# KiCad board TRS80IJP_1.kicad_pcb (continued)
## Routing (per net, layer and track width the routed paths; a pad name or vN(x,y) marks a point on that pad's centre or on a via; arc(x,y) is an arc through that point) (continued)
  Bottom w1.5: CN3.2 399.37,4.17 CN1.2
/CPU/A5: length 619.2
  Top w0.25: Z29.2 102.19,88.41 104.28,90.5 105.28,90.5 106.14,89.64 110.7,89.64 111.35,90.29 113.15,90.29 113.9,89.54 116.85,89.54 117.9,90.59 123.82,90.59 125.06,89.35 159,89.35 171.12,77.23 173.73,77.2 173.9,77.03 176.7,74.24 181.13,74.24 182.24,73.13 184.29,73.13 184.43,73 Z41.12 185.93,73.08 186.66,73.08 186.67,73.07 v1(189.85,73.07) Z42.3 195.37,73.07 196.82,71.62 205.51,71.62 205.71,71.82 210.33,71.82 211.58,73.07 Z43.3 v1(219.67,73.07) ; v1(396.93,27.1) 362.63,27.1 362.23,26.7 354.28,26.7 353.75,27.23 Z68.16
  Bottom w0.25: 397.43,4.68 397.43,26.6 v1(396.93,27.1) 395.45,28.58 395.45,40.87 394.05,42.27 394.05,54.08 383.67,64.46 383.79,77.68 385.15,80.84 385.15,82.33 385.25,140.82 383.28,142.14 382.07,142.83 378.95,144.58 377.81,145.27 377.24,145.84 377.24,165.05 373.37,168.92 373.37,170.54 372.66,171.25 372.66,172.77 373.41,173.52 373.41,178.54 E1.35 ; Z13.5 178.59,105.95 178.59,86.13 182.13,82.67 184.44,82.67 186.29,81.01 188.49,80.83 189.85,79.47 v1(189.85,73.07) ; v1(219.67,73.07) 219.85,73.07 221.7,71.22 221.34,48.16 226.9,43.67 226.92,34.59 226.9,34.57 226.9,34.44 227.35,33.99 227.35,8.85 231.47,4.95 296.13,5.19 296.73,4.68 297.54,4.1 298.75,2.89 308.48,2.89 315.65,10.06 346.76,10 347.57,10.05 350.33,12.83 350.33,25.26 352.65,26.71 Z68.16
  Bottom w1.5: CN1.3 396.87,4.17 CN3.3
/CPU/A6: length 633
  Top w0.25: v1(396.85,32.87) 388.19,32.87 386.65,31.33 v1(386.65,30.85) 386.64,30.86 363.74,30.86 363.28,30.4 358.38,30.4 357.87,30.91 352.15,30.91 350.75,32.31 Z68.3 ; Z8.11 108.53,106.13 109.94,106.13 109.95,106.14 ; v1(113.53,106.14) 109.95,106.14 ; 109.95,106.14 109.93,106.12 ; v1(374.12,171.91) 375.65,173.44 E1.38 ; v1(114.39,91.52) 114.41,91.54 124.06,91.54 125.58,90.14 144.69,90.2 144.79,90.19 157.97,90.27 157.98,90.28 159.09,90.28 171.54,77.83 174.72,77.83 177.02,75.54 Z41.2 181.74,75.54 182.94,74.33 188.64,74.33 190,75.61 Z42.2 195.38,75.61 196.65,74.34 202.69,74.34 203.07,74.72 205,74.72 205.3,74.42 210.44,74.42 211.74,75.65 211.79,75.61 Z43.2 v1(224.04,75.61)
  Bottom w0.25: 387.27,4.68 387.27,30.28 386.7,30.85 v1(386.65,30.85) ; v1(396.85,32.87) 396.85,41.21 395.26,42.8 395.29,52.52 395.3,53.57 395.3,54.26 384.62,64.94 384.84,77.29 386.13,80.55 386.31,140.2 386.28,140.79 386.22,141.38 381.55,144.2 380.31,144.96 378.46,146.05 378.17,146.34 378.17,165.44 374.12,169.49 v1(374.12,171.91) ; Z68.3 346.04,32.26 347.06,32.26 348.79,30.53 348.79,21.26 348.7,13.55 348.63,13.39 346.99,11.75 318.35,11.69 312.66,15.36 301.46,15.25 294.3,6.76 232.11,6.36 228.95,9.44 228.74,34.5 228.39,35 228.46,44.4 222.9,48.88 223.43,74.73 223.43,75 v1(224.04,75.61) ; Z13.11 186.46,103.16 186.09,86.17 187.18,85.04 191.6,85.04 195.3,81.34 195.3,77.26 Z42.2 ; v1(114.39,91.52) 114.39,93.46 113.41,94.44 113.41,106.02 v1(113.53,106.14)
  Bottom w1.5: CN3.7 386.86,4.17 386.88,4.19
/CPU/A7: length 627.4
  Top w0.25: Z8.14 114.83,113.83 v1(114.86,113.8) ; v1(114.84,95.15) 114.97,95.02 114.97,94.18 116.62,92.53 124.38,92.53 125.95,90.96 159.74,90.96 172.01,78.69 175.75,78.69 176.38,78.06 176.4,78.08 Z41.1 181.58,78.08 182.73,76.92 188.71,76.92 190,78.21 192.82,78.21 192.85,78.24 193.56,78.24 Z42.1 199.14,78.15 v1(200.29,77) 210.5,77 211.68,78.15 Z43.1 219.55,78.15 v1(219.65,78.25) ; v1(391.8,34.68) 391.56,34.44 386.21,34.44 v1(383.98,32.21) 363.94,32.21 362.22,33.93 359.3,33.93 357.68,32.31 Z68.18 ; v1(372.21,168.85) 372.21,172.51 373.11,173.41 E1.36
  Bottom w0.25: Z14.3 194.32,109.31 194.32,86.58 200.29,80.61 v1(200.29,77) ; v1(372.21,168.85) 376.25,164.81 376.25,145.26 379.28,143.39 383.9,140.72 384.13,140.46 384.08,81.06 382.79,77.71 382.69,64.26 391.56,55.05 391.56,34.92 v1(391.8,34.68) ; Z68.18 349.69,29.14 349.43,13.03 347.28,10.88 315.27,10.78 308.02,3.53 298.86,3.53 296.34,6.05 231.79,5.69 228.09,9.21 228.09,34.27 227.61,34.75 227.63,44.01 222.15,48.6 222.5,74.93 222.49,75.28 219.65,78.12 v1(219.65,78.25) ; v1(114.84,95.15) 115.75,96.06 115.75,112.91 v1(114.86,113.8) ; v1(383.98,32.21) 384.73,31.46 384.73,4.68
  Bottom w1.5: CN3.8 384.36,4.16 384.38,4.19
/CPU/A8: length 703.2
  Top w0.25: v1(360.63,147.34) 357.48,147.34 355.15,149.67 350.77,149.67 349.37,148.27 342.66,148.27 v1(342.04,147.65) ; v1(197.26,75.85) 197.5,75.61 Z42.23 210.46,75.61 211.74,76.89 220.75,76.89 220.99,77.13 227.55,77.13 Z43.23 ; Z14.6 190.78,105.23 190.19,105.23 189.08,106.35 167.96,106.35 166.35,107.95 166.35,109.1 164.25,111.2 161.91,111.2 160.69,109.98 v1(159.3,109.98) ; Z8.2 v1(104.04,116.37) ; v1(378.94,11.73) 378.9,11.69 375.85,11.69 375.65,11.31 372.81,7.32 329.57,7.27 327.74,9.1 315.05,9.1 308.61,2.66 298.6,2.66 296.44,4.82 218.83,4.82 217.57,6.08 217.57,8.03 216.86,8.74 214.06,8.74 v1(213.24,7.92) 212.57,7.11 204.13,2.57 157.95,2.62 157.13,3.44 CN2.1 ; v1(379.37,53.2) 378.94,52.78 Z49.14
  Bottom w0.25: E1.11 343.13,178.34 343.13,170.42 342.39,169.68 342.39,156.89 341.13,155.63 341.13,148.56 v1(342.04,147.65) ; v1(104.04,116.37) 104.04,119.49 106.7,122.15 155.8,122.15 157.52,120.43 157.52,111.76 v1(159.3,109.98) ; v1(197.26,75.85) 197.36,75.95 197.36,80.47 192.6,85.23 192.6,103.41 Z14.6 ; v1(213.24,7.92) 213.24,9.03 212.54,9.73 212.54,30.63 211.2,31.97 211.2,40.65 211.39,40.84 211.39,74.4 210.18,75.61 Z42.23 ; v1(378.94,11.73) 379.16,11.95 379.16,37.96 380.18,38.98 380.18,52.39 v1(379.37,53.2) 378.78,53.79 378.84,59.24 376.89,61.85 376.92,79.86 378.45,83.21 378.51,101.84 375.61,104.01 375.59,118.46 375.62,119.46 359.31,137.75 359.31,146.02 v1(360.63,147.34)
/CPU/A9: length 727.4
  Top w0.25: v1(380.56,58.21) 355.06,58.21 354.71,57.86 Z49.16 ; v1(361.55,144.77) 360.81,144.03 347.04,144.03 v1(346.75,144.32) ; Z43.22 222.01,73.07 220.63,74.45 211.73,74.45 210.35,73.07 Z42.22 203.91,73.07 v1(203.87,73.11) ; v1(198.85,89.45) 198.31,89.99 168.64,89.99 v1(166.94,88.29) ; v1(380.29,13.72) 375.32,13.68 374.91,12.95 371.58,8.01 330.29,8.01 328.35,9.95 314.8,9.95 308.18,3.33 299.23,3.33 296.9,5.66 219.28,5.66 218.27,6.67 218.27,6.74 218.37,6.84 218.37,8.77 217.49,9.65 211.76,9.65 v1(211.06,8.95) 211.01,8.9 211.01,8.22 203.99,3.34 203.11,3.32 161.33,3.32 158.17,6.48 155.55,6.48 154.59,5.52 CN2.2
  Bottom w0.25: v1(166.94,88.29) 166.94,90.64 164.67,92.91 164.67,118.55 160.25,122.97 106.34,122.97 102.58,119.21 102.58,110.11 101.22,108.75 Z8.5 ; Z42.22 209.87,73.07 210.51,72.43 210.51,62.94 210.63,62.82 210.63,41.8 210.38,41.55 210.38,31.31 211.33,30.36 211.33,9.22 v1(211.06,8.95) ; v1(203.87,73.11) 204.19,73.43 204.19,84.11 v1(198.85,89.45) 196.98,96.08 197,100.69 Z14.10 ; v1(346.75,144.32) 349.17,146.74 349.17,158.09 350.37,159.29 350.37,170.01 349.76,170.62 349.76,172.63 350.25,173.12 E1.17 ; v1(361.55,144.77) 360.26,143.79 360.19,138.01 376.54,119.78 376.52,104.69 376.48,104.65 378.81,102.75 379.33,102.33 379.27,83.17 377.88,79.07 377.85,62.21 380.56,58.41 v1(380.56,58.21) 381.41,57.36 381.41,38.82 380.29,37.7 v1(380.29,13.72)
/CPU/A10: length 606.8
  Top w0.25: v1(368.94,65.83) 368.47,65.36 356.34,65.36 356.32,65.38 356.26,65.38 353.81,62.94 Z49.18 ; CN2.3 152.05,3.4 153.51,1.94 204.33,1.92 214.73,6.45 v1(215.57,6.95) 215.82,6.7 215.82,6.48 218.39,3.91 296.27,3.91 298.1,2.08 309.14,2.08 315.38,8.32 327.33,8.32 329.12,6.53 374.42,6.53 376.51,8.62 v1(376.51,9.06) ; E1.4 332.47,173.79 330.93,172.25 v1(330.93,168.7) ; v1(358.94,128.03) 358.02,128.03 356.28,126.29 351.35,126.29 350.19,127.45 343.98,127.45 343.58,127.85 333.85,127.85 v1(333.81,127.81) ; v1(213.31,32.4) 213.36,32.45 Z61.14 ; v1(203.7,66.33) 204.54,65.49 208.85,65.49 Z42.19 210.15,65.45 211.5,66.8 215.68,66.8 v1(216.35,67.47) 217.18,66.64 221.05,66.64 221.5,67.09 227.43,67.09 Z43.19
  Bottom w0.25: v1(333.81,127.81) 334.2,128.2 334.2,150.74 330.44,154.5 330.44,164.36 330.93,164.85 v1(330.93,168.7) ; Z14.13 200.39,108.32 200.39,90.3 205.65,85.04 205.65,70.95 203.68,68.98 203.68,66.35 v1(203.7,66.33) ; v1(216.35,67.47) 215.72,66.84 215.72,41.63 214.04,39.95 214.04,33.13 v1(213.31,32.4) 214.01,31.7 214.01,9.43 215.59,7.85 215.59,6.97 v1(215.57,6.95) ; v1(358.94,128.03) 358.96,128.05 361.79,128.05 371.3,118.54 371.3,102.02 374.19,99.13 374.15,85.87 369.49,81.33 369.49,77.92 370.31,77.1 370.31,67.18 368.96,65.83 v1(368.94,65.83) 368.94,49.31 368.95,49.3 378.01,42.28 377.91,39.59 376.51,38.19 v1(376.51,9.06)
/CPU/A11: length 632.2
  Top w0.25: CN2.4 149.51,2.62 150.92,1.21 204.37,1.21 209.2,2.73 211.4,3.43 214.83,4.34 v1(215.61,4.55) 217.02,3.14 217.66,3.14 217.67,3.15 295.87,3.15 297.5,1.52 326.19,1.52 330.63,5.96 374.76,5.94 377.35,8.6 v1(379.01,10.24) ; Z43.18 227.77,64.21 v1(217.1,64.21) 211.76,64.21 210.46,62.91 Z42.18 201.73,62.91 201.68,62.86 200.22,64.33 191.17,64.33 v1(191.07,64.42) ; v1(374.15,61.99) 372.63,60.47 356.06,60.47 354.94,61.59 352.16,61.59 350.89,62.86 346.02,62.86 Z49.3 ; v1(338.58,149.59) 349.05,149.59 350.18,150.72 355.75,150.72 357.26,149.21 359.31,149.21 v1(359.33,149.23)
  Bottom w0.25: v1(359.33,149.23) 358.24,148.14 358.35,137.48 362.97,132.16 363.83,131.18 364.83,130.09 374.73,119.24 374.73,106.92 374.74,103.54 374.98,103.33 377.55,101.43 377.55,101.36 377.57,101.34 377.57,83.05 377.38,82.82 376.78,81.74 376,79.93 375.74,64.6 v1(374.15,61.99) 377.38,58.76 377.38,52.63 379.14,50.87 379.14,39.33 377.76,37.95 377.76,11.53 379.21,10.08 v1(379.01,10.24) ; v1(215.61,4.55) 217.09,6.03 217.09,8.98 215.92,10.15 215.92,17.91 214.93,18.9 214.89,18.9 214.89,28.49 215.31,28.91 215.41,28.91 Z61.13 215.09,31.23 215.09,36.97 215.01,37.05 215.01,39 217.1,41.09 v1(217.1,64.21) ; E1.9 340.09,173.07 339.69,172.67 339.69,170.84 340.88,169.65 340.88,157.61 339.31,156.04 339.31,150.32 v1(338.58,149.59) ; v1(191.07,64.42) 191.07,79.65 189.06,81.66 186.95,81.66 185.17,83.44 182.75,83.44 179.9,86.29 179.9,111.06 178.41,112.55 Z13.3
/CPU/A12: length 540.1
  Top w0.25: Z49.5 350.8,57.86 352.16,56.49 v1(371.33,56.49) ; v1(356.43,155.89) 356.18,155.64 345.86,155.64 345.15,156.35 v1(334.6,156.35) ; v1(189.83,70.66) 190.87,71.7 195.27,71.7 196.44,70.53 Z42.21 210.18,70.53 211.31,71.66 220.65,71.66 220.99,72 227.6,72 Z43.21 234.19,70.53 v1(234.22,70.5) ; v1(303.56,50) 304.12,49.44 305.69,49.44 306.54,48.59 310.36,48.59 311.92,50.15 324.74,50.15 332.47,42.42 332.56,42.51 336.16,42.51 338.44,40.22 349.95,40.22 v1(350.33,39.84)
  Bottom w0.25: E1.5 335.36,178.49 335.36,170.85 334.7,170.19 334.7,167.28 335.86,166.12 335.86,157.4 334.81,156.35 v1(334.6,156.35) ; v1(189.83,70.66) 188.12,72.37 188.12,79.31 187.19,80.24 185.58,80.24 183.99,81.83 181.29,81.83 177.03,86.09 177.03,97.07 175.36,98.74 175.36,103.22 Z13.6 ; Z61.2 207.28,36.5 207.28,68.92 Z42.21 ; Z49.5 346.83,57.86 350.7,53.98 350.7,40.21 v1(350.33,39.84) ; v1(371.33,56.49) 370.47,57.35 370.47,63.06 371.03,63.62 371.03,77.56 370.48,78.11 370.51,80.92 375,85.37 375.05,99.93 372.12,102.29 372.16,116.68 372.17,116.69 372.2,118.58 355.87,135.94 355.77,136.04 355.77,155.23 v1(356.43,155.89) ; v1(303.56,50) 303.42,49.86 303.42,46.48 303.72,46.18 303.72,27.02 304.45,26.29 304.45,22.53 302.65,20.73 300.53,20.73 291.91,10.86 245.51,10.88 242.74,13.59 242.74,28.21 243.52,28.99 243.52,32.98 242.88,33.62 242.88,40.65 242.78,40.75 242.19,41.25 234.05,48.01 234.09,70.37 v1(234.22,70.5)
/CPU/A13: length 586.6
  Top w0.25: v1(333.55,171.84) 333.55,172.23 334.86,173.54 334.86,178.7 E1.6 ; v1(304.85,47.65) 325.23,47.65 332.62,40.26 336.97,40.26 338.02,39.2 348.44,39.2 v1(348.61,39.03) ; v1(398.12,51.33) 398.04,51.41 380.25,51.41 379.86,51.02 356.24,51.02 355.78,51.48 352.35,51.48 351.06,52.78 Z49.7 ; v1(241.77,31.32) 235.72,31.32 235.22,30.82 233,30.82 232.66,31.16 221.67,31.16 220.41,32.42 219.01,32.42 217.76,33.67 214.36,33.67 214.12,33.91 211.97,33.91 210.36,32.3 208.94,32.3 Z61.3 ; v1(235.43,87.69) 234.6,86.86 232.29,86.86 231.14,88.01 229.79,88.01 228.9,87.12 225.29,87.12 224.3,86.13 195.48,86.13 193.53,88.08 185.16,88.08 v1(184.36,87.28) ; v1(380.57,157.37) 380.47,157.27 335.96,157.27 335.4,157.83 332.78,157.83 v1(332.05,157.1)
  Bottom w0.25: Z13.10 182.95,100.63 182.88,96.98 183.11,88.38 v1(184.36,87.28) ; v1(235.43,87.69) 232.95,85.21 233,47.49 241.87,40.27 v1(241.77,31.32) 241.76,31.31 241.76,12.76 244.57,9.95 292.17,9.95 292.93,10.78 300.68,19.76 303.07,19.81 305.4,22.14 305.4,26.62 304.85,27.17 v1(304.85,47.65) ; v1(333.55,171.84) 333.55,167.12 334.32,166.35 334.32,159.37 v1(332.05,157.1) ; v1(398.12,51.33) 398.89,52.1 398.89,71.98 394.04,76.78 390.12,78.46 388.32,79.46 388.32,142.03 382.98,145.43 380.57,146.86 v1(380.57,157.37) ; Z49.7 347.08,52.78 348.73,51.12 348.73,39.15 v1(348.61,39.03)
/CPU/A14: length 354.2
  Top w0.25: v1(373.02,79.86) 372.48,79.32 350.55,79.32 350.17,79.7 347.71,79.7 347.41,79.4 341.29,79.4 339.39,81.3 326.72,81.3 318.97,73.55 288.51,73.55 284.48,77.58 279.8,77.58 278.81,76.59 268.28,76.59 v1(266.07,74.38) ; Z49.12 355.18,49.31 376.49,49.31 v1(376.5,49.3) ; v1(258.47,59.14) 259.81,60.49 262.26,60.49 ; E1.10 340.09,173.5 339.09,172.5 339.09,168.98 v1(339.41,168.66) ; v1(335.75,149.39) 337.59,151.23 339.46,151.23 340.13,150.56 348.96,150.56 350.09,151.69 v1(358.43,151.69)
  Bottom w0.25: v1(258.47,59.14) 258.81,58.8 258.81,51.61 257.09,49.89 257.09,40.21 Z64.1 ; v1(358.43,151.69) 357.39,150.65 357.4,137.13 363.68,130.13 364.52,129.15 371.6,121.43 373.86,119.11 373.9,118.92 373.92,118.73 373.92,102.99 373.91,102.99 375.69,101.7 376.76,100.92 376.75,100.83 376.76,100.82 376.76,83.6 v1(373.02,79.86) 372.94,79.78 372.94,63.32 372.57,62.95 372.57,60.93 372.6,60.9 376.41,58.03 v1(376.5,49.3) ; 262.21,60.48 Z44.13 261.58,63.02 260.09,64.5 260.09,66.47 266.12,72.5 266.12,74.33 v1(266.07,74.38) ; v1(339.41,168.66) 340.09,167.98 340.09,157.9 336.62,154.43 336.62,150.26 v1(335.75,149.39)
/CPU/A15: length 343.7
  Top w0.25: v1(257.7,27.35) 257.68,27.37 254.46,27.37 ; v1(303.56,58.06) 305.06,56.56 310.01,56.56 310.3,56.85 315.1,56.85 316.78,55.17 316.81,55.21 320.52,55.21 321.81,53.91 328.34,53.91 329.53,52.72 334.92,52.72 334.99,52.65 341.07,52.65 343.28,49.77 343.69,49.11 343.99,48.72 344.62,47.85 344.84,47.63 345.88,47.63 Z49.9 350.8,47.7 352.17,46.32 355.1,46.32 356.32,47.54 v1(373.99,47.54) ; v1(358.56,154.74) 358.56,154.68 357.86,153.98 349.93,153.98 348.51,152.56 341.3,152.56 340.39,153.47 v1(334.58,153.47) ; v1(258.64,64) 258.96,64.32 264.45,64.32 265,64.87 267.32,64.87 267.95,64.24 279.45,64.24 280.11,63.58 282.45,63.58 283.15,64.28 295.02,64.28 295.49,63.81 298.01,63.81 298.44,64.24 303.13,64.24 v1(303.23,64.14)
  Bottom w0.25: v1(303.56,58.06) 303.23,58.39 v1(303.23,64.14) ; E1.7 337.55,171.75 335.79,169.99 335.79,167.83 337.24,166.38 337.24,156.13 v1(334.58,153.47) ; v1(373.99,47.54) 374.21,58.19 371.71,60.33 371.71,63.23 372.03,63.55 372.05,64.46 372.01,77.48 372.03,77.59 372.03,77.7 371.51,78.22 371.51,80.52 375.93,84.94 375.93,100.48 373.79,102.08 373.14,102.59 373.14,105.37 373.15,106.46 373.05,118.64 372.16,119.69 356.56,136.63 356.56,152.74 v1(358.56,154.74) ; v1(257.7,27.35) 257.76,27.41 257.76,34.09 256.81,35.04 256.81,38.11 258.6,39.9 258.6,49.64 258.57,49.67 258.57,49.75 259.72,50.9 259.72,57.47 260.29,58.04 260.29,62.35 v1(258.64,64)
/CPU/UA0: length 39
  Top w0.25: v1(341.1,16.02) 341.5,15.62 341.86,15.62 341.9,15.66 350.56,15.66 352.04,14.18 353.26,14.18 Z68.11
  Bottom w0.25: v1(341.1,16.02) 336.67,20.45 336.67,36.68 Z48.30
/CPU/UA1: length 31
  Top w0.25: Z68.8 341.89,19.61 v1(341.09,18.81)
  Bottom w0.25: v1(341.09,18.81) 337.68,22.22 337.68,39.31 335.69,40.9 Z48.31
/CPU/UA2: length 39.5
  Top w0.25: Z68.13 353.41,19.41 352.06,19.41 350.71,20.76 346.69,20.76 346.68,20.77 341.62,20.77 341.11,21.28 v1(341.11,21.37)
  Bottom w0.25: Z48.32 335.79,43.92 338.79,40.92 338.79,23.65 341.07,21.37 v1(341.11,21.37)
/CPU/UA3: length 30.3
  Bottom w0.25: Z48.33 335.96,46.46 339.89,42.53 339.89,25.96 341.24,24.61 341.32,24.69 Z68.6
/CPU/UA4: length 39
  Top w0.25: v1(341.74,26.29) 342.14,25.89 350.79,25.89 352.3,24.38 353.3,24.38 Z68.15
  Bottom w0.25: v1(341.74,26.29) 341.14,26.89 341.14,43.87 341.12,43.89 335.96,48.08 Z48.34
/CPU/UA5: length 28.7
  Bottom w0.25: Z48.35 335.76,50.96 342.06,45.4 342.06,31.05 342.09,30.76 343.13,29.78 343.4,29.75 Z68.4
/CPU/UA6: length 37.6
  Top w0.25: Z68.17 351.93,29.77 351.89,29.73 350.61,31.01 344.19,31.01 v1(343.68,31.52)
  Bottom w0.25: v1(343.68,31.52) 343.41,31.79 343.41,32.09 343.45,32.13 343.45,46.45 335.72,53.66 Z48.36
/CPU/UA7: length 26.9
  Bottom w0.25: Z68.2 344.29,36.55 344.29,48.05 335.78,55.81 Z48.37
/CPU/UA8: length 13.1
  Top w0.25: Z49.6 344.72,55.32 344.6,55.2 340.64,59.16 Z48.38
/CPU/UA9: length 12.1
  Top w0.25: Z49.4 345.78,60.23 342.27,60.23 340.8,61.7 Z48.39
/CPU/UA10: length 11.9
  Top w0.25: Z48.40 344.71,64.24 Z49.2
/CPU/UA11: length 36
  Top w0.25: Z48.1 320.21,64.24 321.51,62.94 340.77,62.94 342,61.71 346.8,61.71 346.81,61.7 350.66,61.7 351.93,60.43 351.93,60.34 351.99,60.4 Z49.17
/CPU/UA12: length 36.9
  Top w0.25: Z48.2 320.61,60.36 340.82,60.36 344.66,56.52 350.74,56.52 351.94,55.32 Z49.15
/CPU/UA13: length 38.6
  Top w0.25: Z48.3 320.42,59.16 321.81,57.77 339.98,57.77 340.5,57.7 344.09,52.45 344.91,51.42 349.99,51.43 350.54,51.42 350.79,51.4 352,50.25 352.03,50.24 Z49.13
/CPU/UA14: length 29.9
  Top w0.25: Z49.8 344.7,50.12 344.37,50.13 344.04,50.71 340.69,55.26 321.76,55.26 320.4,56.62 Z48.4
/CPU/UA15: length 38.5
  Top w0.25: Z49.11 353.37,44.96 352.03,44.96 350.64,46.35 344.62,46.35 341.83,50.18 329.34,50.18 326.78,52.74 321.8,52.74 320.46,54.08 Z48.5
/CPU/UD0: length 97.5
  Bottom w0.25: 330.75,117.77 336,112.52 336,84.79 325.83,74.62 325.83,69.78 327.86,67.75 327.91,39.53 Z48.14
/CPU/UD1: length 102.8
  Bottom w0.25: Z48.15 328.94,39.31 328.94,67.98 326.98,69.94 326.98,74.54 336.88,84.44 336.88,114.18 330.75,120.31
/CPU/UD2: length 86.2
  Bottom w0.25: Z48.12 320.46,36.3 325.62,41.46 325.62,67.44 323.98,69.08 323.98,75.19 334.39,85.6 334.39,109.05 330.75,112.69
/CPU/UD3: length 62.3
  Bottom w0.25: 330.75,102.53 329.22,101 329.22,84.56 320.59,75.93 320.59,68.19 322.31,66.47 322.31,49.5 Z48.8
/CPU/UD4: length 62.2
  Bottom w0.25: Z48.7 321.17,50.9 321.17,66.47 319.52,68.12 319.52,76.19 328.31,84.98 328.31,102.63 330.75,105.07
/CPU/UD5: length 71.8
  Bottom w0.25: 330.75,107.61 332.5,105.86 332.5,86.3 321.81,75.61 321.81,68.43 323.28,66.96 323.28,46.74 320.46,43.92 Z48.9
/CPU/UD6: length 77.3
  Bottom w0.25: Z48.10 320.75,41.89 324.43,45.96 324.44,67.23 322.95,68.72 322.95,75.39 333.41,85.85 333.41,107.49 330.75,110.15
/CPU/UD7: length 91.7
  Bottom w0.25: Z48.13 321.56,35.4 326.75,40.55 326.9,67.55 325.03,69.42 325.03,74.93 335.27,85.17 335.27,110.71 330.75,115.23
/D0: length 517.9
  Top w0.25: v1(174.11,83.41) 188.2,83.41 189.64,84.85 191.49,84.85 193.09,83.25 222.98,83.25 224.18,82.05 246.06,82.05 248.38,80.56 249.7,79.69 253.22,77.26 253.91,76.81 254.42,76.46 265.91,76.46 266.9,77.45 278.6,77.45 279.73,78.58 285.41,78.58 286.49,77.5 286.78,77.5 286.8,77.52 291.52,77.52 294.01,75.03 303.31,75.03 v1(304.36,76.08) ; v1(376.62,132.43) 376.06,131.87 359.22,131.72 358.32,132.62 RP1.7 353.68,132.63 349.55,132.63 346.72,131.46 342.38,131.44 341.73,132.09 336.35,132.09 v1(335.87,131.61) ; Z12.12 169.25,97.31 168.23,98.33 v1(166.42,98.33) ; Z24.13 353.53,115.04 351.24,115.04 349.96,116.32 342.34,116.32 341.18,115.16 Z23.17 336.02,115.16 334.62,113.76 318.18,113.76 316.85,115.09 Z22.2 ; E1.30 365.49,171.23 v1(362.94,168.68)
  Bottom w0.25: v1(304.36,76.08) 305.13,76.85 305.13,80.54 303.53,82.14 303.53,85 305.2,85.93 307.67,87.37 308.44,88.14 308.44,109.08 308.42,109.1 308.42,110.49 Z22.2 ; Z4.13 45.74,113.04 45.74,120.37 48.74,123.37 54.16,123.37 58.64,127.85 73.96,127.93 76.27,125.57 107.56,125.37 109.22,123.79 160.67,123.8 165.6,119.03 165.6,98.89 166.16,98.33 v1(166.42,98.33) ; v1(362.94,168.68) 369.39,163.48 371.6,161.7 371.6,142.4 371.62,142.38 376.4,139.61 379.1,138.02 379.1,134.91 v1(376.62,132.43) ; Z12.12 173.03,94.92 173.03,86.18 174.11,85.1 v1(174.11,83.41) ; v1(335.87,131.61) 335.87,117.71 338.3,115.28 338.3,115.1
/D1: length 517.2
  Top w0.25: v1(336.63,140.72) 337.07,140.28 353.65,140.28 RP1.4 353.77,140.32 360.14,141.51 v1(362.22,141.8) ; v1(310.58,117.86) 309.07,116.35 302.3,116.35 301.04,115.09 301.03,115.1 Z21.2 ; Z24.3 338.18,117.63 Z23.18 335.66,117.7 334.37,116.41 325.24,116.41 v1(325.22,116.43) ; v1(172.01,84.48) 172.47,84.94 173.3,84.94 173.33,84.91 188.35,84.91 189.15,85.71 192.2,85.71 193.78,84.13 223.54,84.13 224.8,82.87 246.03,82.82 246.67,82.76 255.01,77.34 265.44,77.49 266.31,78.36 278.37,78.36 279.68,79.67 286.18,79.67 287.3,78.55 292,78.55 293.35,77.2 v1(295.23,77.2) ; Z12.11 170.4,95.01 v1(166.89,95.01) ; v1(353.97,168.7) 353.97,172.4 355.33,173.76 E1.22 ; v1(310.46,127.13) 312.74,129.41 v1(325.26,129.41)
  Bottom w0.25: Z12.11 172.01,93.4 v1(172.01,84.48) ; v1(336.63,140.72) 336.61,140.7 336.61,134.33 337.81,133.13 337.81,124.8 336.82,123.81 336.82,119.12 338.3,117.64 ; v1(310.58,117.86) 310.46,117.98 v1(310.46,127.13) ; Z21.2 296.16,113.58 296.16,89.45 297.58,88.03 297.58,81.29 295.23,78.94 v1(295.23,77.2) ; v1(325.26,129.41) 325.82,128.85 325.82,117.03 v1(325.22,116.43) ; v1(362.22,141.8) 363.14,142.72 363.14,142.99 363.01,143.12 363.01,148.5 362.42,149.09 362.59,158.7 356.55,163.35 356.05,163.7 355.37,164.2 353.97,165.37 v1(353.97,168.7) ; Z4.12 44.79,111.45 44.79,120.9 48.23,124.34 53.96,124.34 58.24,128.62 74.42,128.62 76.72,126.32 108.24,126.32 109.86,124.7 161.29,124.7 166.54,119.45 166.36,103.42 167.61,99.93 167.59,97.57 166.89,96.87 v1(166.89,95.01)
/D2: length 488.3
  Top w0.25: Z20.2 281.52,115.09 280.25,116.36 215.61,116.36 214.31,117.66 214.31,118.38 213.62,119.07 211.37,119.07 208.62,116.33 196.48,116.33 193.93,113.78 189.53,113.78 188.88,113.13 186.61,113.13 185.99,113.75 173.07,113.75 171.87,112.55 Z12.18 ; v1(367.58,168.78) 367.58,173.1 368.06,173.58 368.03,173.61 E1.32 ; Z24.11 353.5,109.93 351.12,109.93 349.74,111.31 342.38,111.31 341.15,110.08 Z23.15 ; v1(280.11,128.04) 282.5,130.43 295.52,130.36 298.34,136.03 298.67,136.71 306.95,136.77 312.17,130.63 331.44,130.63 331.89,130.18 340.7,130.18 v1(340.86,130.34) 341.06,130.54 353.23,130.54 RP1.8 354.15,130.54 374.54,130.54 374.99,130.09 377.6,130.09 v1(377.76,130.25)
  Bottom w0.25: Z4.4 41.1,111.29 43.06,113.25 43.06,121.71 47.42,126.07 53.17,126.07 57.22,130.12 75.54,130.12 77.49,128.17 108.91,128.17 110.83,126.25 161.89,126.25 168.18,119.96 168.18,114.53 170.16,112.55 Z12.18 ; Z20.2 282.09,116.82 282.09,118.61 280.62,120.08 280.62,123.95 280.11,124.46 v1(280.11,128.04) ; Z23.15 338.65,110.08 341.41,112.84 341.41,129.79 v1(340.86,130.34) ; v1(377.76,130.25) 380.11,132.6 380.11,138.59 375.23,141.48 372.52,143.1 372.52,162.59 367.9,166.82 367.66,167.08 367.58,167.16 v1(367.58,168.78)
/D3: length 571.9
  Top w0.25: v1(372.78,129.06) 360.63,129.06 360.24,129.45 356.58,129.45 354.67,127.54 352.62,127.54 351.08,129.08 v1(345.97,129.08) 345.72,128.83 335.18,128.83 334.69,129.32 333.21,129.32 332.92,129.03 328.57,129.03 v1(328.29,129.31) ; E1.26 360.42,178.83 360.42,173.76 358.44,171.78 358.44,168.92 v1(358.67,168.69) ; Z12.17 173.78,110.01 175.05,111.28 194.12,111.28 196.57,113.73 210.1,113.73 v1(210.19,113.82) ; v1(338.45,83.26) 338.94,83.75 343.25,83.75 344.98,82.02 347.29,82.02 348.6,80.71 Z30.11 ; v1(328.27,132.03) 327.78,131.54 312.65,131.54 307.29,137.59 298.35,137.54 296.12,133.36 294.94,131.28 281.24,131.28 278.05,128.09 265.17,128.09 v1(264.93,127.85) ; v1(267.34,89.58) 264.19,89.58 262.6,87.99 248.75,87.99 248.05,88.69 245.9,88.69 245.32,88.11 242.32,88.11 241.55,88.88 239.96,88.88 239.13,88.05 237.39,88.05 236.35,89.09 234.86,89.09 233.8,88.03 232.37,88.03 231.51,88.89 229.41,88.89 228.63,88.11 225.15,88.11 224.18,87.14 215.35,87.14 213.69,88.8 v1(210.05,88.8)
  Bottom w0.25: v1(338.45,83.26) 338.45,99.74 338.27,99.92 Z23.11 338.22,99.92 344.56,106.26 344.56,123.97 346.17,125.58 346.17,128.88 v1(345.97,129.08) ; Z12.17 170.25,110.01 169.12,111.14 169.12,111.14 167.38,112.87 167.38,119.71 161.62,125.47 110.39,125.47 108.66,127.22 77.13,127.19 74.91,129.35 57.67,129.35 53.56,125.24 47.73,125.24 44.04,121.55 44.04,111.68 41.11,108.75 Z4.5 ; v1(264.93,127.85) 267.9,124.88 267.9,115.8 268.61,115.09 Z19.2 268.14,113.45 268.14,94.37 267.31,93.54 267.31,89.61 v1(267.34,89.58) ; v1(372.78,129.06) 372.78,129.69 371.39,131.08 371.39,138.53 369.12,139.88 367.99,140.61 368.13,159.27 367.93,159.49 360.11,165.49 358.83,166.56 358.83,168.53 v1(358.67,168.69) ; v1(210.19,113.82) 210.19,88.94 v1(210.05,88.8) ; v1(328.27,132.03) 328.27,129.33 v1(328.29,129.31)
